# Allegro board 6089-119-RevB_08.brd (continued)
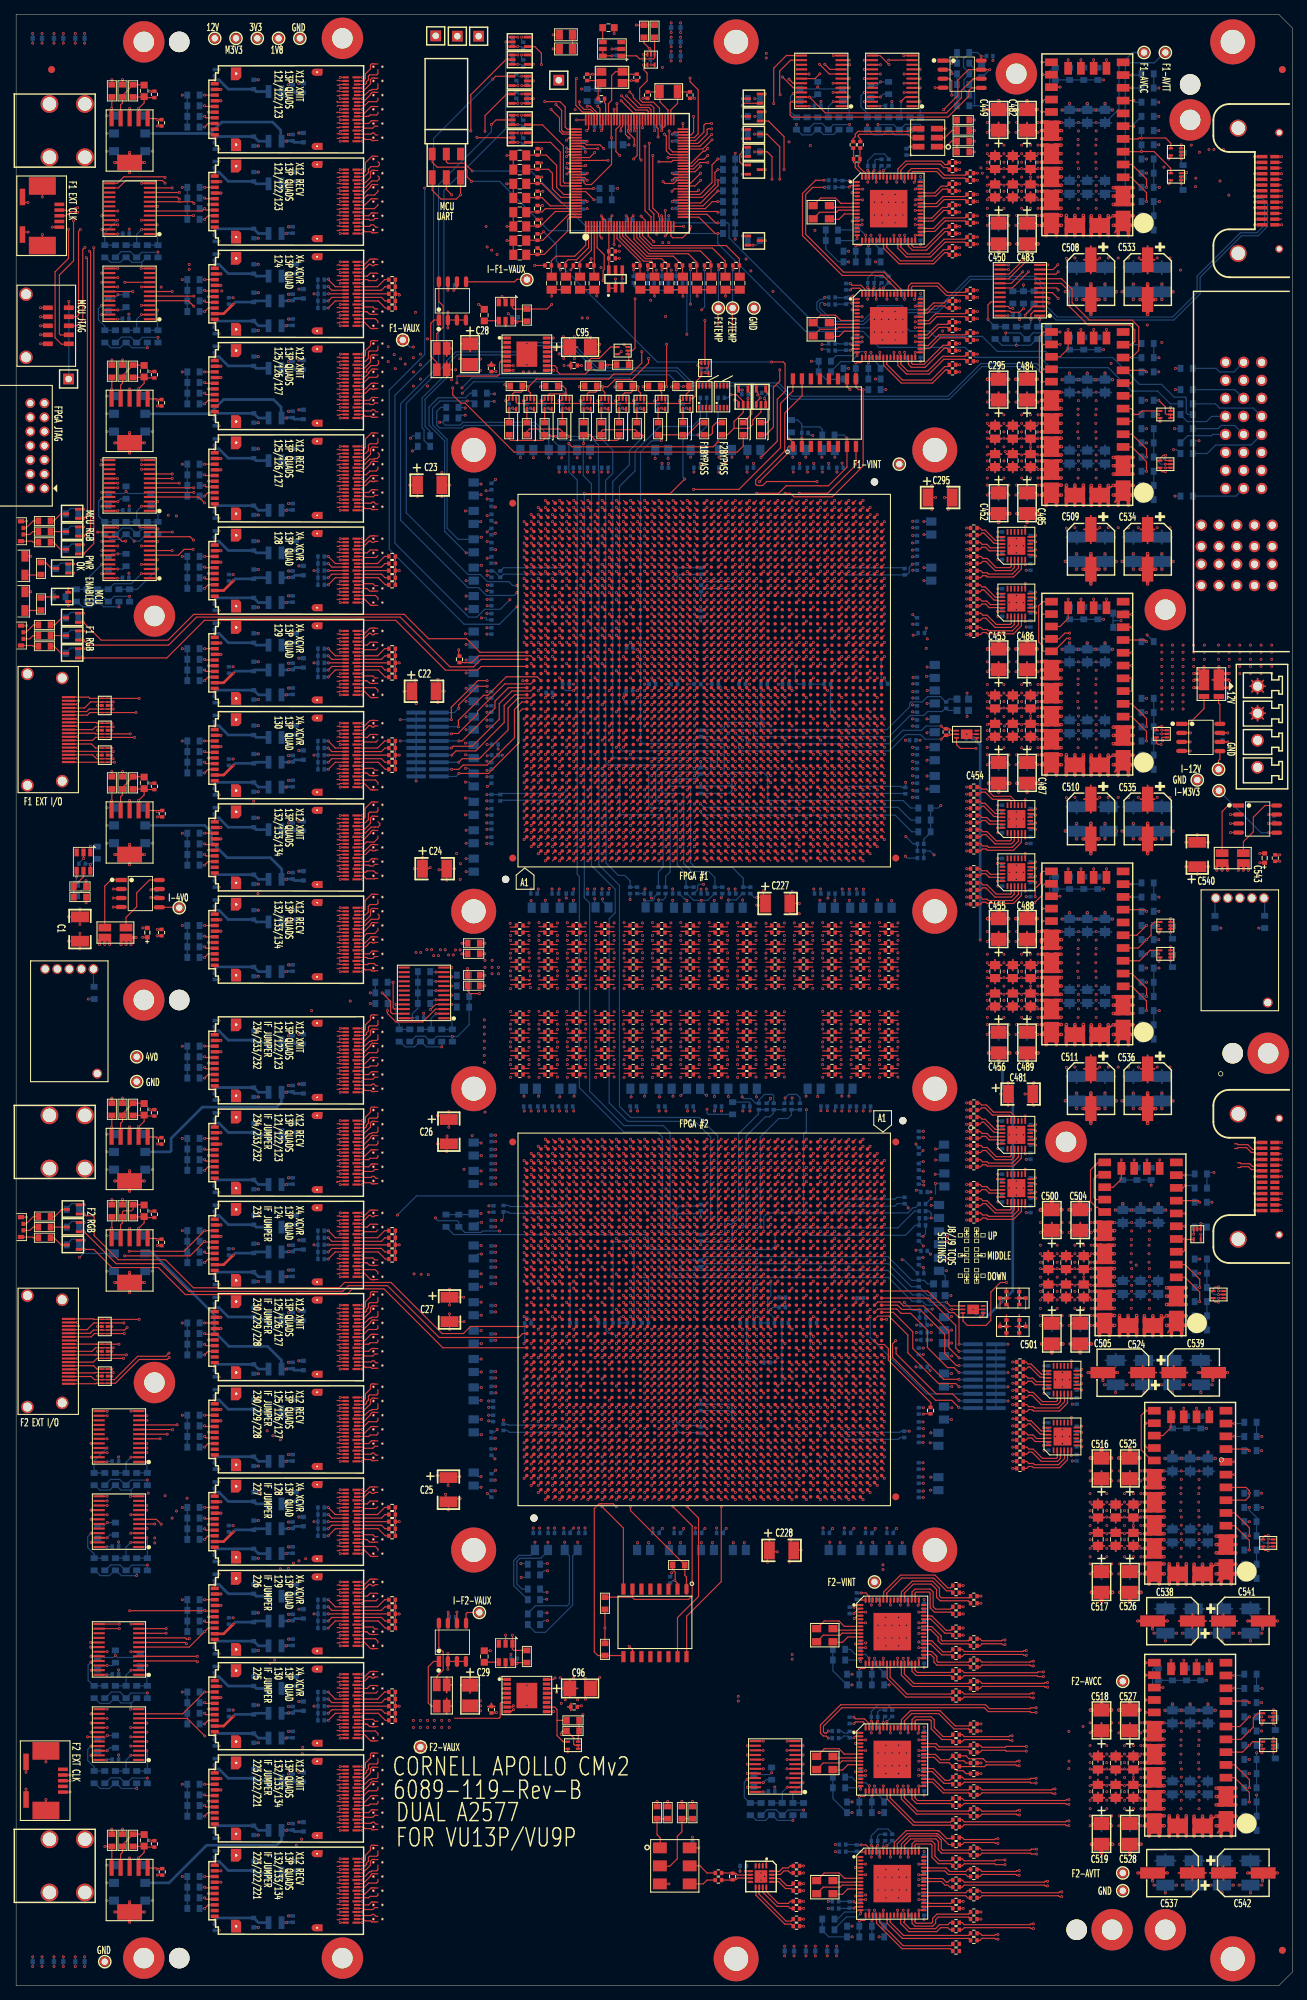
[diagram p0: board, top side]
## Routing (per net, layer and track width the routed paths; a pad name or vN(x,y) marks a point on that pad's centre or on a via; arc(x,y) is an arc through that point) (continued)
NF1_D_RECV0: length 21.9
  TOP w0.165: U75.AE1 95.61,158.51 ; 93.69,141.73 94.38,141.73 C163.1
  SIG4 w0.083: 93.69,141.73 93.9,141.52 arc(93.92,141.51) 93.95,141.5 94.9,141.5 arc(95.49,141.75) 95.74,142.34 95.74,150.86 arc(95.74,150.92) 95.75,150.99 arc(95.8,151.16) 95.86,151.32 arc(95.96,151.67) 96,152.04 96,152.32 95.8,152.52 95.8,152.85 96,153.05 96,153.38 95.8,153.58 95.8,153.91 96,154.11 96,154.27 95.99,154.28 95.99,154.74 96,154.74 96,155.36 95.9,155.46 95.9,155.79 96,155.89 96,156.22 95.9,156.32 95.9,156.65 96,156.75 96,157.08 95.9,157.18 95.9,157.51 96,157.61 96,158.68 arc(95.93,158.84) 95.77,158.9 95.69,158.9 arc(95.63,158.88) 95.61,158.82 95.61,158.51
NF1_D_RECV1: length 21.2
  TOP w0.165: U75.AD3 94.61,160.51 ; C161.1 94.38,144.23 93.69,144.23
  SIG4 w0.083: 93.69,144.23 93.9,144.02 arc(93.92,144.01) 93.95,144 94.8,144 arc(95.12,144.13) 95.25,144.45 95.25,151.43 arc(95.22,151.69) 95.12,151.93 arc(95.05,152.08) 95.01,152.23 arc(95,152.3) 95,152.36 95,153.75 94.85,153.9 94.85,154.23 95,154.38 95,154.71 94.85,154.86 94.85,155.19 95,155.34 95,155.67 94.85,155.82 94.85,156.15 95,156.3 95,156.63 94.85,156.78 94.85,157.11 95,157.26 95,157.59 94.85,157.74 94.85,158.07 95,158.22 95,160.68 arc(94.93,160.84) 94.77,160.9 94.69,160.9 arc(94.63,160.88) 94.61,160.82 94.61,160.51
NF1_D_RECV2: length 16.1
  TOP w0.165: C159.1 94.38,146.73 93.69,146.73 ; U75.AC1 93.61,158.51
  SIG4 w0.083: 93.61,158.51 93.61,158.82 arc(93.63,158.88) 93.69,158.9 93.77,158.9 arc(93.93,158.84) 94,158.68 94,157.92 93.9,157.82 93.9,157.49 94,157.39 94,157.06 93.9,156.96 93.9,156.63 94,156.53 94,156.2 93.9,156.1 93.9,155.77 94,155.67 94,155.34 93.9,155.24 93.9,154.91 94,154.81 94,154.1 93.85,153.95 93.85,153.62 94,153.47 94,153.14 93.85,152.99 93.85,152.66 94,152.51 94,152.36 arc(94.01,152.28) 94.03,152.2 94.16,151.89 arc(94.26,151.69) 94.38,151.5 arc(94.45,151.4) 94.52,151.28 arc(94.62,151) 94.65,150.7 94.65,146.95 arc(94.52,146.63) 94.2,146.5 93.95,146.5 arc(93.92,146.51) 93.9,146.52 93.69,146.73
NF1_D_RECV3: length 15.5
  TOP w0.165: U75.AB3 92.61,160.51 ; 93.7,149.23 94.38,149.23 C157.1
  SIG4 w0.083: 92.61,160.51 92.61,160.82 arc(92.63,160.88) 92.69,160.9 92.77,160.9 arc(92.93,160.84) 93,160.68 93,158.26 92.85,158.11 92.85,157.78 93,157.63 93,157.3 92.85,157.15 92.85,156.82 93,156.67 93,156.34 92.85,156.19 92.85,155.86 93,155.71 93,155.38 92.85,155.23 92.85,154.9 93,154.75 93,154.24 92.85,154.09 92.85,153.76 93,153.61 93,152.63 arc(93.11,152.05) 93.44,151.56 93.71,151.3 arc(93.99,150.87) 94.09,150.37 94.09,149.14 arc(94.05,149.04) 93.95,149 93.87,149 arc(93.81,149.02) 93.79,149.08 93.79,149.14 arc(93.76,149.2) 93.7,149.23
NF1_D_XMIT0: length 39.2
  TOP w0.165: C171.2 94.38,129.23 93.69,129.23 ; U75.AE6 95.61,163.51
  SIG3 w0.083: 95.61,163.51 95.61,163.82 arc(95.63,163.88) 95.69,163.9 95.77,163.9 arc(95.96,163.83) 96.04,163.64 96.04,155.03 arc(96.04,154.99) 96.03,154.95 arc(95.97,154.82) 95.92,154.69 arc(95.9,154.65) 95.87,154.62 arc(95.77,154.45) 95.74,154.26 95.74,139.74 95.6,139.6 95.6,139.27 95.74,139.13 95.74,138.8 95.6,138.66 95.6,138.33 95.74,138.19 95.74,137.86 95.6,137.72 95.6,137.39 95.74,137.25 95.74,136.92 95.6,136.78 95.6,136.45 95.74,136.31 95.74,135.98 95.6,135.84 95.6,135.51 95.74,135.37 95.74,135.04 95.6,134.9 95.6,134.57 95.74,134.43 95.74,130.7 arc(95.24,129.5) 94.04,129 93.95,129 arc(93.92,129.01) 93.9,129.02 93.69,129.23
NF1_D_XMIT1: length 38.5
  TOP w0.165: 93.69,131.73 94.38,131.73 C169.2 ; U75.AD8 94.61,165.51
  SIG3 w0.083: 93.69,131.73 93.78,131.64 arc(93.92,131.54) 94.1,131.51 94.68,131.51 arc(94.88,131.56) 95.03,131.69 arc(95.04,131.73) 95.05,131.77 95.05,141.8 94.95,141.9 94.95,142.23 95.05,142.33 95.05,142.66 94.95,142.76 94.95,143.09 95.05,143.19 95.05,143.52 94.95,143.62 94.95,143.95 95.05,144.05 95.05,144.38 94.95,144.48 94.95,144.81 95.05,144.91 95.05,145.24 94.95,145.34 94.95,145.67 95.05,145.77 95.05,146.1 94.95,146.2 94.95,146.53 95.05,146.63 95.05,146.96 94.95,147.06 94.95,147.39 95.05,147.49 95.05,147.82 94.95,147.92 94.95,148.25 95.05,148.35 95.05,165.66 arc(94.98,165.83) 94.81,165.9 94.7,165.9 arc(94.64,165.87) 94.61,165.81 94.61,165.51
NF1_D_XMIT2: length 33.5
  TOP w0.165: U75.AC6 93.61,163.51 ; C167.2 94.38,134.23 93.69,134.23
  SIG3 w0.083: 93.61,163.51 93.61,163.82 arc(93.63,163.88) 93.69,163.9 93.77,163.9 arc(93.97,163.82) 94.05,163.63 94.05,158.23 93.85,158.03 93.85,157.7 94.05,157.5 94.05,157.17 93.85,156.97 93.85,156.64 94.05,156.44 94.05,156.11 93.85,155.91 93.85,155.58 94.05,155.38 94.05,155.05 93.9,154.9 93.9,154.72 93.95,154.68 93.95,154.42 94.05,154.32 94.05,153.7 arc(94.05,153.66) 94.04,153.62 94.01,153.48 arc(94,153.42) 94,153.35 94,152.84 arc(94.01,152.73) 94.04,152.63 arc(94.05,152.62) 94.05,152.6 94.05,140.27 arc(94.06,140.19) 94.07,140.12 arc(94.21,139.76) 94.37,139.42 arc(94.46,139.16) 94.5,138.88 94.5,134.23 arc(94.49,134.19) 94.46,134.15 arc(94.26,134.04) 94.04,134 93.95,134 arc(93.92,134.01) 93.9,134.02 93.69,134.23
NF1_D_XMIT3: length 33.2
  TOP w0.165: C165.2 94.38,136.73 93.6,136.73 ; U75.AB8 92.61,165.51
  SIG3 w0.083: 92.61,165.51 92.61,165.82 arc(92.63,165.88) 92.69,165.9 92.77,165.9 arc(92.96,165.83) 93.04,165.64 93.04,154.63 arc(93.03,154.54) 93.01,154.44 arc(92.96,154.28) 92.94,154.1 92.94,148.54 92.8,148.4 92.8,148.07 92.94,147.93 92.94,147.6 92.8,147.46 92.8,147.13 92.94,146.99 92.94,146.66 92.8,146.52 92.8,146.19 92.94,146.05 92.94,145.72 92.8,145.58 92.8,145.25 92.94,145.11 92.94,144.78 92.8,144.64 92.8,144.31 92.94,144.17 92.94,143.84 92.8,143.7 92.8,143.37 92.94,143.23 92.94,140.39 arc(92.99,140.13) 93.14,139.92 93.59,139.46 arc(93.92,138.96) 94.04,138.38 94.04,136.6 arc(94.01,136.53) 93.94,136.5 93.86,136.5 arc(93.82,136.51) 93.8,136.52 93.6,136.73 93.6,136.73
NF1_E_RECV0: length 21.9
  TOP w0.165: U75.AA1 91.61,158.51 ; C144.1 90.38,141.73 89.69,141.73
  SIG4 w0.083: 91.61,158.51 91.61,158.82 arc(91.63,158.88) 91.69,158.9 91.77,158.9 arc(91.93,158.84) 92,158.68 92,157.61 91.9,157.51 91.9,157.18 92,157.08 92,156.75 91.9,156.65 91.9,156.32 92,156.22 92,155.89 91.9,155.79 91.9,155.46 92,155.36 92,154.74 91.99,154.74 91.99,154.28 92,154.27 92,154.11 91.8,153.91 91.8,153.58 92,153.38 92,153.05 91.8,152.85 91.8,152.52 92,152.32 92,152.04 arc(91.96,151.67) 91.86,151.32 arc(91.8,151.16) 91.75,150.99 arc(91.74,150.92) 91.74,150.86 91.74,142.34 arc(91.49,141.75) 90.9,141.5 89.95,141.5 arc(89.92,141.51) 89.9,141.52 89.69,141.73
NF1_E_RECV1: length 21.2
  TOP w0.165: C142.1 90.38,144.23 89.69,144.23 ; U75.Y3 90.61,160.51
  SIG4 w0.083: 90.61,160.51 90.61,160.82 arc(90.63,160.88) 90.69,160.9 90.77,160.9 arc(90.93,160.84) 91,160.68 91,158.22 90.85,158.07 90.85,157.74 91,157.59 91,157.26 90.85,157.11 90.85,156.78 91,156.63 91,156.3 90.85,156.15 90.85,155.82 91,155.67 91,155.34 90.85,155.19 90.85,154.86 91,154.71 91,154.38 90.85,154.23 90.85,153.9 91,153.75 91,152.36 arc(91,152.3) 91.01,152.23 arc(91.05,152.08) 91.12,151.93 arc(91.22,151.69) 91.25,151.43 91.25,144.45 arc(91.12,144.13) 90.8,144 89.95,144 arc(89.92,144.01) 89.9,144.02 89.69,144.23
NF1_E_RECV2: length 16.1
  TOP w0.165: C140.1 90.38,146.73 89.69,146.73 ; U75.W1 89.61,158.51
  SIG4 w0.083: 89.69,146.73 89.9,146.52 arc(89.92,146.51) 89.95,146.5 90.2,146.5 arc(90.52,146.63) 90.65,146.95 90.65,150.7 arc(90.62,151) 90.52,151.28 arc(90.45,151.4) 90.38,151.5 arc(90.26,151.69) 90.16,151.89 90.03,152.2 arc(90.01,152.28) 90,152.36 90,152.51 89.85,152.66 89.85,152.99 90,153.14 90,153.47 89.85,153.62 89.85,153.95 90,154.1 90,154.81 89.9,154.91 89.9,155.24 90,155.34 90,155.67 89.9,155.77 89.9,156.1 90,156.2 90,156.53 89.9,156.63 89.9,156.96 90,157.06 90,157.39 89.9,157.49 89.9,157.82 90,157.92 90,158.68 arc(89.93,158.84) 89.77,158.9 89.69,158.9 arc(89.63,158.88) 89.61,158.82 89.61,158.51
NF1_E_RECV3: length 15.5
  TOP w0.165: U75.V3 88.61,160.51 ; 89.7,149.23 90.38,149.23 C138.1
  SIG4 w0.083: 88.61,160.51 88.61,160.82 arc(88.63,160.88) 88.69,160.9 88.77,160.9 arc(88.93,160.84) 89,160.68 89,158.26 88.85,158.11 88.85,157.78 89,157.63 89,157.3 88.85,157.15 88.85,156.82 89,156.67 89,156.34 88.85,156.19 88.85,155.86 89,155.71 89,155.38 88.85,155.23 88.85,154.9 89,154.75 89,154.24 88.85,154.09 88.85,153.76 89,153.61 89,152.63 arc(89.11,152.05) 89.44,151.56 89.71,151.3 arc(89.99,150.87) 90.09,150.37 90.09,149.14 arc(90.05,149.04) 89.95,149 89.87,149 arc(89.81,149.02) 89.79,149.08 89.79,149.14 arc(89.76,149.2) 89.7,149.23
NF1_E_XMIT0: length 39.2
  TOP w0.165: C152.2 90.38,129.23 89.69,129.23 ; U75.AA6 91.61,163.51
  SIG3 w0.083: 89.69,129.23 89.9,129.02 arc(89.92,129.01) 89.95,129 90.04,129 arc(91.24,129.5) 91.74,130.7 91.74,134.43 91.6,134.57 91.6,134.9 91.74,135.04 91.74,135.37 91.6,135.51 91.6,135.84 91.74,135.98 91.74,136.31 91.6,136.45 91.6,136.78 91.74,136.92 91.74,137.25 91.6,137.39 91.6,137.72 91.74,137.86 91.74,138.19 91.6,138.33 91.6,138.66 91.74,138.8 91.74,139.13 91.6,139.27 91.6,139.6 91.74,139.74 91.74,154.26 arc(91.77,154.45) 91.87,154.62 arc(91.9,154.65) 91.92,154.69 arc(91.97,154.82) 92.03,154.95 arc(92.04,154.99) 92.04,155.03 92.04,163.64 arc(91.96,163.83) 91.77,163.9 91.69,163.9 arc(91.63,163.88) 91.61,163.82 91.61,163.51
NF1_E_XMIT1: length 38.5
  TOP w0.165: 89.69,131.73 90.38,131.73 C150.2 ; U75.Y8 90.61,165.51
  SIG3 w0.083: 90.61,165.51 90.61,165.81 arc(90.64,165.87) 90.7,165.9 90.81,165.9 arc(90.98,165.83) 91.05,165.66 91.05,148.35 90.95,148.25 90.95,147.92 91.05,147.82 91.05,147.49 90.95,147.39 90.95,147.06 91.05,146.96 91.05,146.63 90.95,146.53 90.95,146.2 91.05,146.1 91.05,145.77 90.95,145.67 90.95,145.34 91.05,145.24 91.05,144.91 90.95,144.81 90.95,144.48 91.05,144.38 91.05,144.05 90.95,143.95 90.95,143.62 91.05,143.52 91.05,143.19 90.95,143.09 90.95,142.76 91.05,142.66 91.05,142.33 90.95,142.23 90.95,141.9 91.05,141.8 91.05,131.77 arc(91.04,131.73) 91.03,131.69 arc(90.88,131.56) 90.68,131.51 90.1,131.51 arc(89.92,131.54) 89.78,131.64 89.69,131.73
NF1_E_XMIT2: length 33.6
  TOP w0.165: U75.W6 89.61,163.51 ; C148.2 90.38,134.23 89.69,134.23
  SIG3 w0.083: 89.61,163.51 89.61,163.82 arc(89.63,163.88) 89.69,163.9 89.77,163.9 arc(89.97,163.82) 90.05,163.63 90.05,158.23 89.85,158.03 89.85,157.7 90.05,157.5 90.05,157.17 89.85,156.97 89.85,156.64 90.05,156.44 90.05,156.11 89.85,155.91 89.85,155.58 90.05,155.38 90.05,155.05 89.85,154.85 89.85,154.52 90.05,154.32 90.05,153.7 arc(90.05,153.66) 90.04,153.62 90.01,153.48 arc(90,153.42) 90,153.35 90,152.84 arc(90.01,152.73) 90.04,152.63 arc(90.05,152.62) 90.05,152.6 90.05,140.27 arc(90.06,140.19) 90.07,140.12 arc(90.21,139.76) 90.37,139.42 arc(90.46,139.16) 90.5,138.88 90.5,134.23 arc(90.49,134.19) 90.46,134.15 arc(90.26,134.04) 90.04,134 89.95,134 arc(89.92,134.01) 89.9,134.02 89.69,134.23
NF1_E_XMIT3: length 33.2
  TOP w0.165: C146.2 90.38,136.73 89.6,136.73 ; U75.V8 88.61,165.51
  SIG3 w0.083: 89.6,136.73 89.6,136.73 89.8,136.52 arc(89.82,136.51) 89.86,136.5 89.94,136.5 arc(90.01,136.53) 90.04,136.6 90.04,138.38 arc(89.92,138.96) 89.59,139.46 89.14,139.92 arc(88.99,140.13) 88.94,140.39 88.94,143.23 88.8,143.37 88.8,143.7 88.94,143.84 88.94,144.17 88.8,144.31 88.8,144.64 88.94,144.78 88.94,145.11 88.8,145.25 88.8,145.58 88.94,145.72 88.94,146.05 88.8,146.19 88.8,146.52 88.94,146.66 88.94,146.99 88.8,147.13 88.8,147.46 88.94,147.6 88.94,147.93 88.8,148.07 88.8,148.4 88.94,148.54 88.94,154.1 arc(88.96,154.28) 89.01,154.44 arc(89.03,154.54) 89.04,154.63 89.04,165.64 arc(88.96,165.83) 88.77,165.9 88.69,165.9 arc(88.63,165.88) 88.61,165.82 88.61,165.51
NF1_F_RECV0: length 21.9
  TOP w0.165: 85.69,141.73 86.38,141.73 C124.1 ; U75.U1 87.61,158.51
  SIG4 w0.083: 85.69,141.73 85.9,141.52 arc(85.92,141.51) 85.95,141.5 86.9,141.5 arc(87.49,141.75) 87.74,142.34 87.74,150.86 arc(87.74,150.92) 87.75,150.99 arc(87.8,151.16) 87.86,151.32 arc(87.96,151.67) 88,152.04 88,152.32 87.8,152.52 87.8,152.85 88,153.05 88,153.38 87.8,153.58 87.8,153.91 88,154.11 88,154.27 87.99,154.28 87.99,154.74 88,154.74 88,155.36 87.9,155.46 87.9,155.79 88,155.89 88,156.22 87.9,156.32 87.9,156.65 88,156.75 88,157.08 87.9,157.18 87.9,157.51 88,157.61 88,158.68 arc(87.93,158.84) 87.77,158.9 87.69,158.9 arc(87.63,158.88) 87.61,158.82 87.61,158.51
NF1_F_RECV1: length 21.2
  TOP w0.165: C122.1 86.38,144.23 85.69,144.23 ; U75.T3 86.61,160.51
  SIG4 w0.083: 85.69,144.23 85.9,144.02 arc(85.92,144.01) 85.95,144 86.8,144 arc(87.12,144.13) 87.25,144.45 87.25,151.43 arc(87.22,151.69) 87.12,151.93 arc(87.05,152.08) 87.01,152.23 arc(87,152.3) 87,152.36 87,153.75 86.85,153.9 86.85,154.23 87,154.38 87,154.71 86.85,154.86 86.85,155.19 87,155.34 87,155.67 86.85,155.82 86.85,156.15 87,156.3 87,156.63 86.85,156.78 86.85,157.11 87,157.26 87,157.59 86.85,157.74 86.85,158.07 87,158.22 87,160.68 arc(86.93,160.84) 86.77,160.9 86.69,160.9 arc(86.63,160.88) 86.61,160.82 86.61,160.51
NF1_F_RECV2: length 16.1
  TOP w0.165: 85.69,146.73 86.38,146.73 C120.1 ; U75.R1 85.61,158.51
  SIG4 w0.083: 85.61,158.51 85.61,158.82 arc(85.63,158.88) 85.69,158.9 85.77,158.9 arc(85.93,158.84) 86,158.68 86,157.92 85.9,157.82 85.9,157.49 86,157.39 86,157.06 85.9,156.96 85.9,156.63 86,156.53 86,156.2 85.9,156.1 85.9,155.77 86,155.67 86,155.34 85.9,155.24 85.9,154.91 86,154.81 86,154.1 85.85,153.95 85.85,153.62 86,153.47 86,153.14 85.85,152.99 85.85,152.66 86,152.51 86,152.36 arc(86.01,152.28) 86.03,152.2 86.16,151.89 arc(86.26,151.69) 86.38,151.5 arc(86.45,151.4) 86.52,151.28 arc(86.62,151) 86.65,150.7 86.65,146.95 arc(86.52,146.63) 86.2,146.5 85.95,146.5 arc(85.92,146.51) 85.9,146.52 85.69,146.73
NF1_F_RECV3: length 15.5
  TOP w0.165: U75.P3 84.61,160.51 ; C118.1 86.38,149.23 85.7,149.23
  SIG4 w0.083: 84.61,160.51 84.61,160.82 arc(84.63,160.88) 84.69,160.9 84.77,160.9 arc(84.93,160.84) 85,160.68 85,158.26 84.85,158.11 84.85,157.78 85,157.63 85,157.3 84.85,157.15 84.85,156.82 85,156.67 85,156.34 84.85,156.19 84.85,155.86 85,155.71 85,155.38 84.85,155.23 84.85,154.9 85,154.75 85,154.24 84.85,154.09 84.85,153.76 85,153.61 85,152.63 arc(85.11,152.05) 85.44,151.56 85.71,151.3 arc(85.99,150.87) 86.09,150.37 86.09,149.14 arc(86.05,149.04) 85.95,149 85.87,149 arc(85.81,149.02) 85.79,149.08 85.79,149.14 arc(85.76,149.2) 85.7,149.23
NF1_F_XMIT0: length 39.2
  TOP w0.165: C132.2 86.38,129.23 85.69,129.23 ; U75.U6 87.61,163.51
  SIG3 w0.083: 87.61,163.51 87.61,163.82 arc(87.63,163.88) 87.69,163.9 87.77,163.9 arc(87.96,163.83) 88.04,163.64 88.04,155.03 arc(88.04,154.99) 88.03,154.95 arc(87.97,154.82) 87.92,154.69 arc(87.9,154.65) 87.87,154.62 arc(87.77,154.45) 87.74,154.26 87.74,139.74 87.6,139.6 87.6,139.27 87.74,139.13 87.74,138.8 87.6,138.66 87.6,138.33 87.74,138.19 87.74,137.86 87.6,137.72 87.6,137.39 87.74,137.25 87.74,136.92 87.6,136.78 87.6,136.45 87.74,136.31 87.74,135.98 87.6,135.84 87.6,135.51 87.74,135.37 87.74,135.04 87.6,134.9 87.6,134.57 87.74,134.43 87.74,130.7 arc(87.24,129.5) 86.04,129 85.95,129 arc(85.92,129.01) 85.9,129.02 85.69,129.23
NF1_F_XMIT1: length 38.5
  TOP w0.165: 85.69,131.73 86.38,131.73 C130.2 ; U75.T8 86.61,165.51
  SIG3 w0.083: 85.69,131.73 85.78,131.64 arc(85.92,131.54) 86.1,131.51 86.68,131.51 arc(86.88,131.56) 87.03,131.69 arc(87.04,131.73) 87.05,131.77 87.05,141.8 86.95,141.9 86.95,142.23 87.05,142.33 87.05,142.66 86.95,142.76 86.95,143.09 87.05,143.19 87.05,143.52 86.95,143.62 86.95,143.95 87.05,144.05 87.05,144.38 86.95,144.48 86.95,144.81 87.05,144.91 87.05,145.24 86.95,145.34 86.95,145.67 87.05,145.77 87.05,146.1 86.95,146.2 86.95,146.53 87.05,146.63 87.05,146.96 86.95,147.06 86.95,147.39 87.05,147.49 87.05,147.82 86.95,147.92 86.95,148.25 87.05,148.35 87.05,165.66 arc(86.98,165.83) 86.81,165.9 86.7,165.9 arc(86.64,165.87) 86.61,165.81 86.61,165.51
NF1_F_XMIT2: length 33.6
  TOP w0.165: U75.R6 85.61,163.51 ; 85.69,134.23 86.38,134.23 C128.2
  SIG3 w0.083: 85.69,134.23 85.9,134.02 arc(85.92,134.01) 85.95,134 86.04,134 arc(86.26,134.04) 86.46,134.15 arc(86.49,134.19) 86.5,134.23 86.5,138.88 arc(86.46,139.16) 86.37,139.42 arc(86.21,139.76) 86.07,140.12 arc(86.06,140.19) 86.05,140.27 86.05,152.6 arc(86.05,152.62) 86.04,152.63 arc(86.01,152.73) 86,152.84 86,153.35 arc(86,153.42) 86.01,153.48 86.04,153.62 arc(86.05,153.66) 86.05,153.7 86.05,154.32 85.85,154.52 85.85,154.85 86.05,155.05 86.05,155.38 85.85,155.58 85.85,155.91 86.05,156.11 86.05,156.44 85.85,156.64 85.85,156.97 86.05,157.17 86.05,157.5 85.85,157.7 85.85,158.03 86.05,158.23 86.05,163.63 arc(85.97,163.82) 85.77,163.9 85.69,163.9 arc(85.63,163.88) 85.61,163.82 85.61,163.51
NF1_F_XMIT3: length 33.2
  TOP w0.165: U75.P8 84.61,165.51 ; 85.6,136.73 86.38,136.73 C126.2
  SIG3 w0.083: 84.61,165.51 84.61,165.82 arc(84.63,165.88) 84.69,165.9 84.77,165.9 arc(84.96,165.83) 85.04,165.64 85.04,154.63 arc(85.03,154.54) 85.01,154.44 arc(84.96,154.28) 84.94,154.1 84.94,148.54 84.8,148.4 84.8,148.07 84.94,147.93 84.94,147.6 84.8,147.46 84.8,147.13 84.94,146.99 84.94,146.66 84.8,146.52 84.8,146.19 84.94,146.05 84.94,145.72 84.8,145.58 84.8,145.25 84.94,145.11 84.94,144.78 84.8,144.64 84.8,144.31 84.94,144.17 84.94,143.84 84.8,143.7 84.8,143.37 84.94,143.23 84.94,140.39 arc(84.99,140.13) 85.14,139.92 85.59,139.46 arc(85.92,138.96) 86.04,138.38 86.04,136.6 arc(86.01,136.53) 85.94,136.5 85.86,136.5 arc(85.82,136.51) 85.8,136.52 85.6,136.73
NF1_FF1_RECV0: length 85.3
  TOP w0.165: 51,247.78 50.72,247.78 50.38,248.12 50.05,248.12 49.83,247.9 U25.A17 ; U75.BB49 113.39,207.29
  SIG3 w0.083: 113.39,207.29 113.39,207.03 arc(113.38,206.98) 113.36,206.94 arc(113.31,206.91) 113.25,206.9 113.14,206.9 arc(113.05,206.94) 113.01,207.03 113.01,210.02 arc(112.83,210.92) 112.32,211.68 99.29,224.71 arc(99.08,224.85) 98.83,224.9 79.45,224.9 arc(78.11,225.17) 76.97,225.93 56.53,246.37 arc(55.27,247.21) 53.8,247.5 52.17,247.5 arc(52.14,247.51) 52.11,247.53 52.11,247.54 arc(52.08,247.55) 52.05,247.56 52,247.56 51.88,247.68 arc(51.77,247.76) 51.64,247.78 51,247.78
NF1_FF1_RECV1: length 87.5
  TOP w0.165: U25.B17 45.65,247.9 45.58,247.97 45.25,247.97 ; U75.BC51 114.39,209.29
  SIG4 w0.083: 45.25,247.97 45.45,247.77 arc(45.48,247.75) 45.51,247.75 48.35,247.75 arc(49,247.62) 49.55,247.25 49.68,247.12 arc(50.31,246.7) 51.05,246.55 53.88,246.55 arc(54.78,246.37) 55.53,245.87 74.83,226.57 arc(75.57,226.07) 76.44,225.9 97.44,225.9 arc(98.05,225.78) 98.57,225.43 113.49,210.51 arc(113.87,209.93) 114.01,209.25 114.01,209.03 arc(114.05,208.94) 114.14,208.9 114.25,208.9 arc(114.31,208.91) 114.36,208.94 arc(114.38,208.98) 114.39,209.03 114.39,209.29
NF1_FF1_RECV2: length 88
  TOP w0.165: 51,249.78 50.57,249.78 50.54,249.81 50.19,249.81 50.16,249.78 50.08,249.78 49.7,249.4 U25.A14 ; U75.BD49 115.39,207.29
  SIG3 w0.083: 51,249.78 51.64,249.78 arc(51.77,249.76) 51.88,249.68 52,249.56 52.05,249.56 arc(52.08,249.55) 52.11,249.54 52.11,249.53 arc(52.14,249.51) 52.17,249.5 53.68,249.5 arc(54.8,249.28) 55.75,248.65 77.47,226.93 arc(78.61,226.17) 79.95,225.9 99.22,225.9 arc(100.08,225.73) 100.81,225.24 114.16,211.89 arc(114.79,210.95) 115.01,209.84 115.01,207.03 arc(115.05,206.94) 115.14,206.9 115.25,206.9 arc(115.31,206.91) 115.36,206.94 arc(115.38,206.98) 115.39,207.03 115.39,207.29
NF1_FF1_RECV3: length 90.4
  TOP w0.165: U75.BE51 116.39,209.29 ; U25.B14 45.65,249.4 45.58,249.47 45.25,249.47
  SIG4 w0.083: 45.25,249.47 45.45,249.27 arc(45.48,249.25) 45.51,249.25 48.59,249.25 arc(48.97,249.17) 49.3,248.95 arc(49.8,248.62) 50.39,248.5 52.85,248.5 arc(54.28,248.22) 55.5,247.4 75.57,227.33 arc(76.05,227.01) 76.6,226.9 98.35,226.9 arc(99.09,226.75) 99.72,226.33 115.41,210.64 arc(115.85,209.98) 116.01,209.19 116.01,209.03 ; 116.14,208.9 116.25,208.9 arc(116.31,208.91) 116.36,208.94 arc(116.38,208.98) 116.39,209.03 116.39,209.29 ; 116.14,208.9 arc(116.05,208.94) 116.01,209.03 ; 116.14,208.9 arc(116.05,208.94) 116.01,209.03
NF1_FF1_RECV4: length 91.1
  TOP w0.165: 48.05,250.9 U25.A11 49.15,250.9 50.03,251.78 50.16,251.78 50.19,251.81 50.54,251.81 50.57,251.78 51,251.78 ; U75.BF49 117.39,207.29
  SIG3 w0.083: 51,251.78 51.64,251.78 arc(51.77,251.76) 51.88,251.68 52,251.56 52.05,251.56 arc(52.08,251.55) 52.11,251.54 52.11,251.53 arc(52.14,251.51) 52.17,251.5 54.47,251.5 arc(55.79,251.24) 56.9,250.5 79.97,227.43 arc(80.56,227.04) 81.25,226.9 99.9,226.9 arc(101.15,226.65) 102.21,225.94 115.76,212.39 arc(116.69,211.01) 117.01,209.38 117.01,207.03 arc(117.05,206.94) 117.14,206.9 117.25,206.9 arc(117.31,206.91) 117.36,206.94 arc(117.38,206.98) 117.39,207.03 117.39,207.29
NF1_FF1_RECV5: length 96.9
  TOP w0.165: U75.BG47 118.39,205.29 ; 45.25,250.97 45.58,250.97 45.65,250.9 U25.B11
  SIG4 w0.083: 118.39,205.29 118.39,205.03 arc(118.38,204.98) 118.36,204.94 arc(118.31,204.91) 118.25,204.9 118.14,204.9 arc(118.05,204.94) 118.01,205.03 118.01,209.32 arc(117.86,210.08) 117.43,210.72 100.78,227.37 arc(100.19,227.76) 99.49,227.9 77.36,227.9 arc(76.57,228.06) 75.89,228.51 54.93,249.47 arc(53.84,250.19) 52.56,250.45 49.61,250.45 arc(49.42,250.49) 49.25,250.6 arc(49.09,250.71) 48.9,250.75 45.51,250.75 arc(45.48,250.75) 45.45,250.77 45.25,250.97
NF1_FF1_RECV6: length 91.7
  TOP w0.165: U75.BG51 118.39,209.29 ; 48.05,252.4 U25.A8 48.9,252.4 49.95,253.45 49.95,253.57 50.19,253.81 50.54,253.81 50.57,253.78 51,253.78
  SIG3 w0.083: 51,253.78 51.64,253.78 arc(51.77,253.76) 51.88,253.68 52,253.56 52.05,253.56 arc(52.08,253.55) 52.11,253.54 52.11,253.53 arc(52.14,253.51) 52.17,253.5 54.16,253.5 arc(55.3,253.28) 56.27,252.63 80.14,228.76 arc(81.09,228.12) 82.22,227.9 101.17,227.9 arc(102.03,227.73) 102.76,227.24 117.09,212.91 arc(117.77,211.89) 118.01,210.69 118.01,209.03 arc(118.05,208.94) 118.14,208.9 118.25,208.9 arc(118.31,208.91) 118.36,208.94 arc(118.38,208.98) 118.39,209.03 118.39,209.29
NF1_FF1_RECV7: length 97.3
  TOP w0.165: U25.B8 45.65,252.4 45.58,252.47 45.25,252.47 ; U75.BH49 119.39,207.29
  SIG4 w0.083: 45.25,252.47 45.45,252.27 arc(45.48,252.25) 45.51,252.25 48.81,252.25 arc(49.07,252.3) 49.3,252.45 arc(49.41,252.52) 49.54,252.55 52.1,252.55 arc(53.25,252.32) 54.23,251.67 76.7,229.2 arc(77.03,228.98) 77.43,228.9 100.28,228.9 arc(101.04,228.75) 101.68,228.32 118.18,211.82 arc(118.79,210.9) 119.01,209.82 119.01,207.03 arc(119.05,206.94) 119.14,206.9 119.25,206.9 arc(119.31,206.91) 119.36,206.94 arc(119.38,206.98) 119.39,207.03 119.39,207.29
NF1_FF1_RECV8: length 99
  TOP w0.165: 48.05,253.9 U25.A5 49.06,253.9 49.95,254.8 49.95,255.23 49.95,255.23 49.95,255.57 50.19,255.81 50.54,255.81 50.57,255.78 51,255.78 ; U75.BJ47 120.39,205.29
  SIG3 w0.083: 51,255.78 51.64,255.78 arc(51.77,255.76) 51.88,255.68 52,255.56 52.05,255.56 arc(52.08,255.55) 52.11,255.54 52.11,255.53 arc(52.14,255.51) 52.17,255.5 53.76,255.5 arc(54.81,255.3) 55.7,254.7 80.8,229.6 arc(81.57,229.08) 82.49,228.9 101.51,228.9 arc(102.75,228.65) 103.8,227.95 116.66,215.09 116.66,215.09 116.99,214.77 116.99,214.76 119.06,212.69 arc(119.76,211.64) 120.01,210.4 120.01,205.11 arc(120.07,204.96) 120.23,204.9 120.31,204.9 arc(120.37,204.92) 120.39,204.98 120.39,205.29
NF1_FF1_RECV9: length 102.6
  TOP w0.165: U75.BL47 122.39,205.29 ; U25.B5 45.65,253.9 45.58,253.97 45.25,253.97
  SIG4 w0.083: 45.25,253.97 45.45,253.77 arc(45.48,253.75) 45.51,253.75 48.37,253.75 arc(48.9,253.85) 49.35,254.15 arc(49.74,254.41) 50.2,254.5 51.3,254.5 arc(51.9,254.44) 52.48,254.26 53.11,254 arc(53.57,253.76) 53.97,253.43 76.85,230.55 arc(77.57,230.07) 78.42,229.9 101.11,229.9 arc(101.79,229.76) 102.37,229.38 116.66,215.09 116.66,215.09 116.99,214.77 116.99,214.76 121.23,210.52 arc(121.81,209.66) 122.01,208.64 122.01,205.03 ; 122.39,205.29 122.39,205.03 arc(122.38,204.98) 122.36,204.94 arc(122.31,204.91) 122.25,204.9 122.14,204.9 ; 122.14,204.9 arc(122.05,204.94) 122.01,205.03 ; 122.14,204.9 arc(122.05,204.94) 122.01,205.03
NF1_FF1_RECV10: length 120.9
  TOP w0.165: 51,257.78 50.57,257.78 50.54,257.81 50.19,257.81 49.24,256.87 49.24,255.79 49.2,255.75 49.2,255.68 49.03,255.51 48.96,255.51 48.85,255.4 48.66,255.4 48.66,255.4 U25.A2 ; U75.BL33 122.39,191.29
  SIG4 w0.083: 122.39,191.29 122.39,191.07 arc(122.33,190.93) 122.19,190.87 122.17,190.87 arc(122.02,190.92) 121.97,191.06 121.97,191.5 arc(122.02,191.64) 122.16,191.7 122.9,191.7 arc(123.4,191.8) 123.84,192.09 124.25,192.5 arc(124.43,192.78) 124.5,193.11 124.5,211.12 arc(124.33,211.98) 123.84,212.71 105.51,231.04 arc(104.56,231.68) 103.44,231.9 79.08,231.9 arc(78.54,232.01) 78.09,232.31 53.31,257.09 arc(52.85,257.4) 52.32,257.5 52.17,257.5 arc(52.14,257.51) 52.11,257.53 52.11,257.54 arc(52.08,257.55) 52.05,257.56 52,257.56 51.88,257.68 arc(51.77,257.76) 51.64,257.78 51,257.78
NF1_FF1_RECV11: length 119
  TOP w0.165: 45.25,255.47 45.58,255.47 45.65,255.4 U25.B2 ; U75.BK35 121.39,193.29
  SIG4 w0.083: 45.25,255.47 45.45,255.27 arc(45.48,255.25) 45.51,255.25 47.9,255.25 arc(48.82,255.43) 49.6,255.95 arc(50.1,256.28) 50.69,256.4 51.26,256.4 arc(52.41,256.17) 53.38,255.52 77.21,231.69 arc(78.08,231.1) 79.11,230.9 102.53,230.9 arc(103.31,230.74) 103.98,230.3 122.46,211.82 arc(122.93,211.11) 123.1,210.27 123.1,194.22 arc(123.07,194.05) 122.97,193.91 arc(122.73,193.75) 122.44,193.69 121.2,193.69 arc(121.07,193.63) 121.01,193.5 121.01,193.11 arc(121.07,192.96) 121.23,192.9 121.31,192.9 arc(121.37,192.92) 121.39,192.98 121.39,193.29